# Altium PCB HAND_MULTILAYER.PcbDoc (part 2 of 3)
Units mm, origin at the board's own origin, x right, y up, seen from the top; angles counter-clockwise.
Board outline 57.4 x 57.5 mm, 4 copper layers (Top Layer, POWER, GND, Bottom Layer), stack 0.778 mm thick; 166 components, 145 nets, 650 pads, 156 vias.
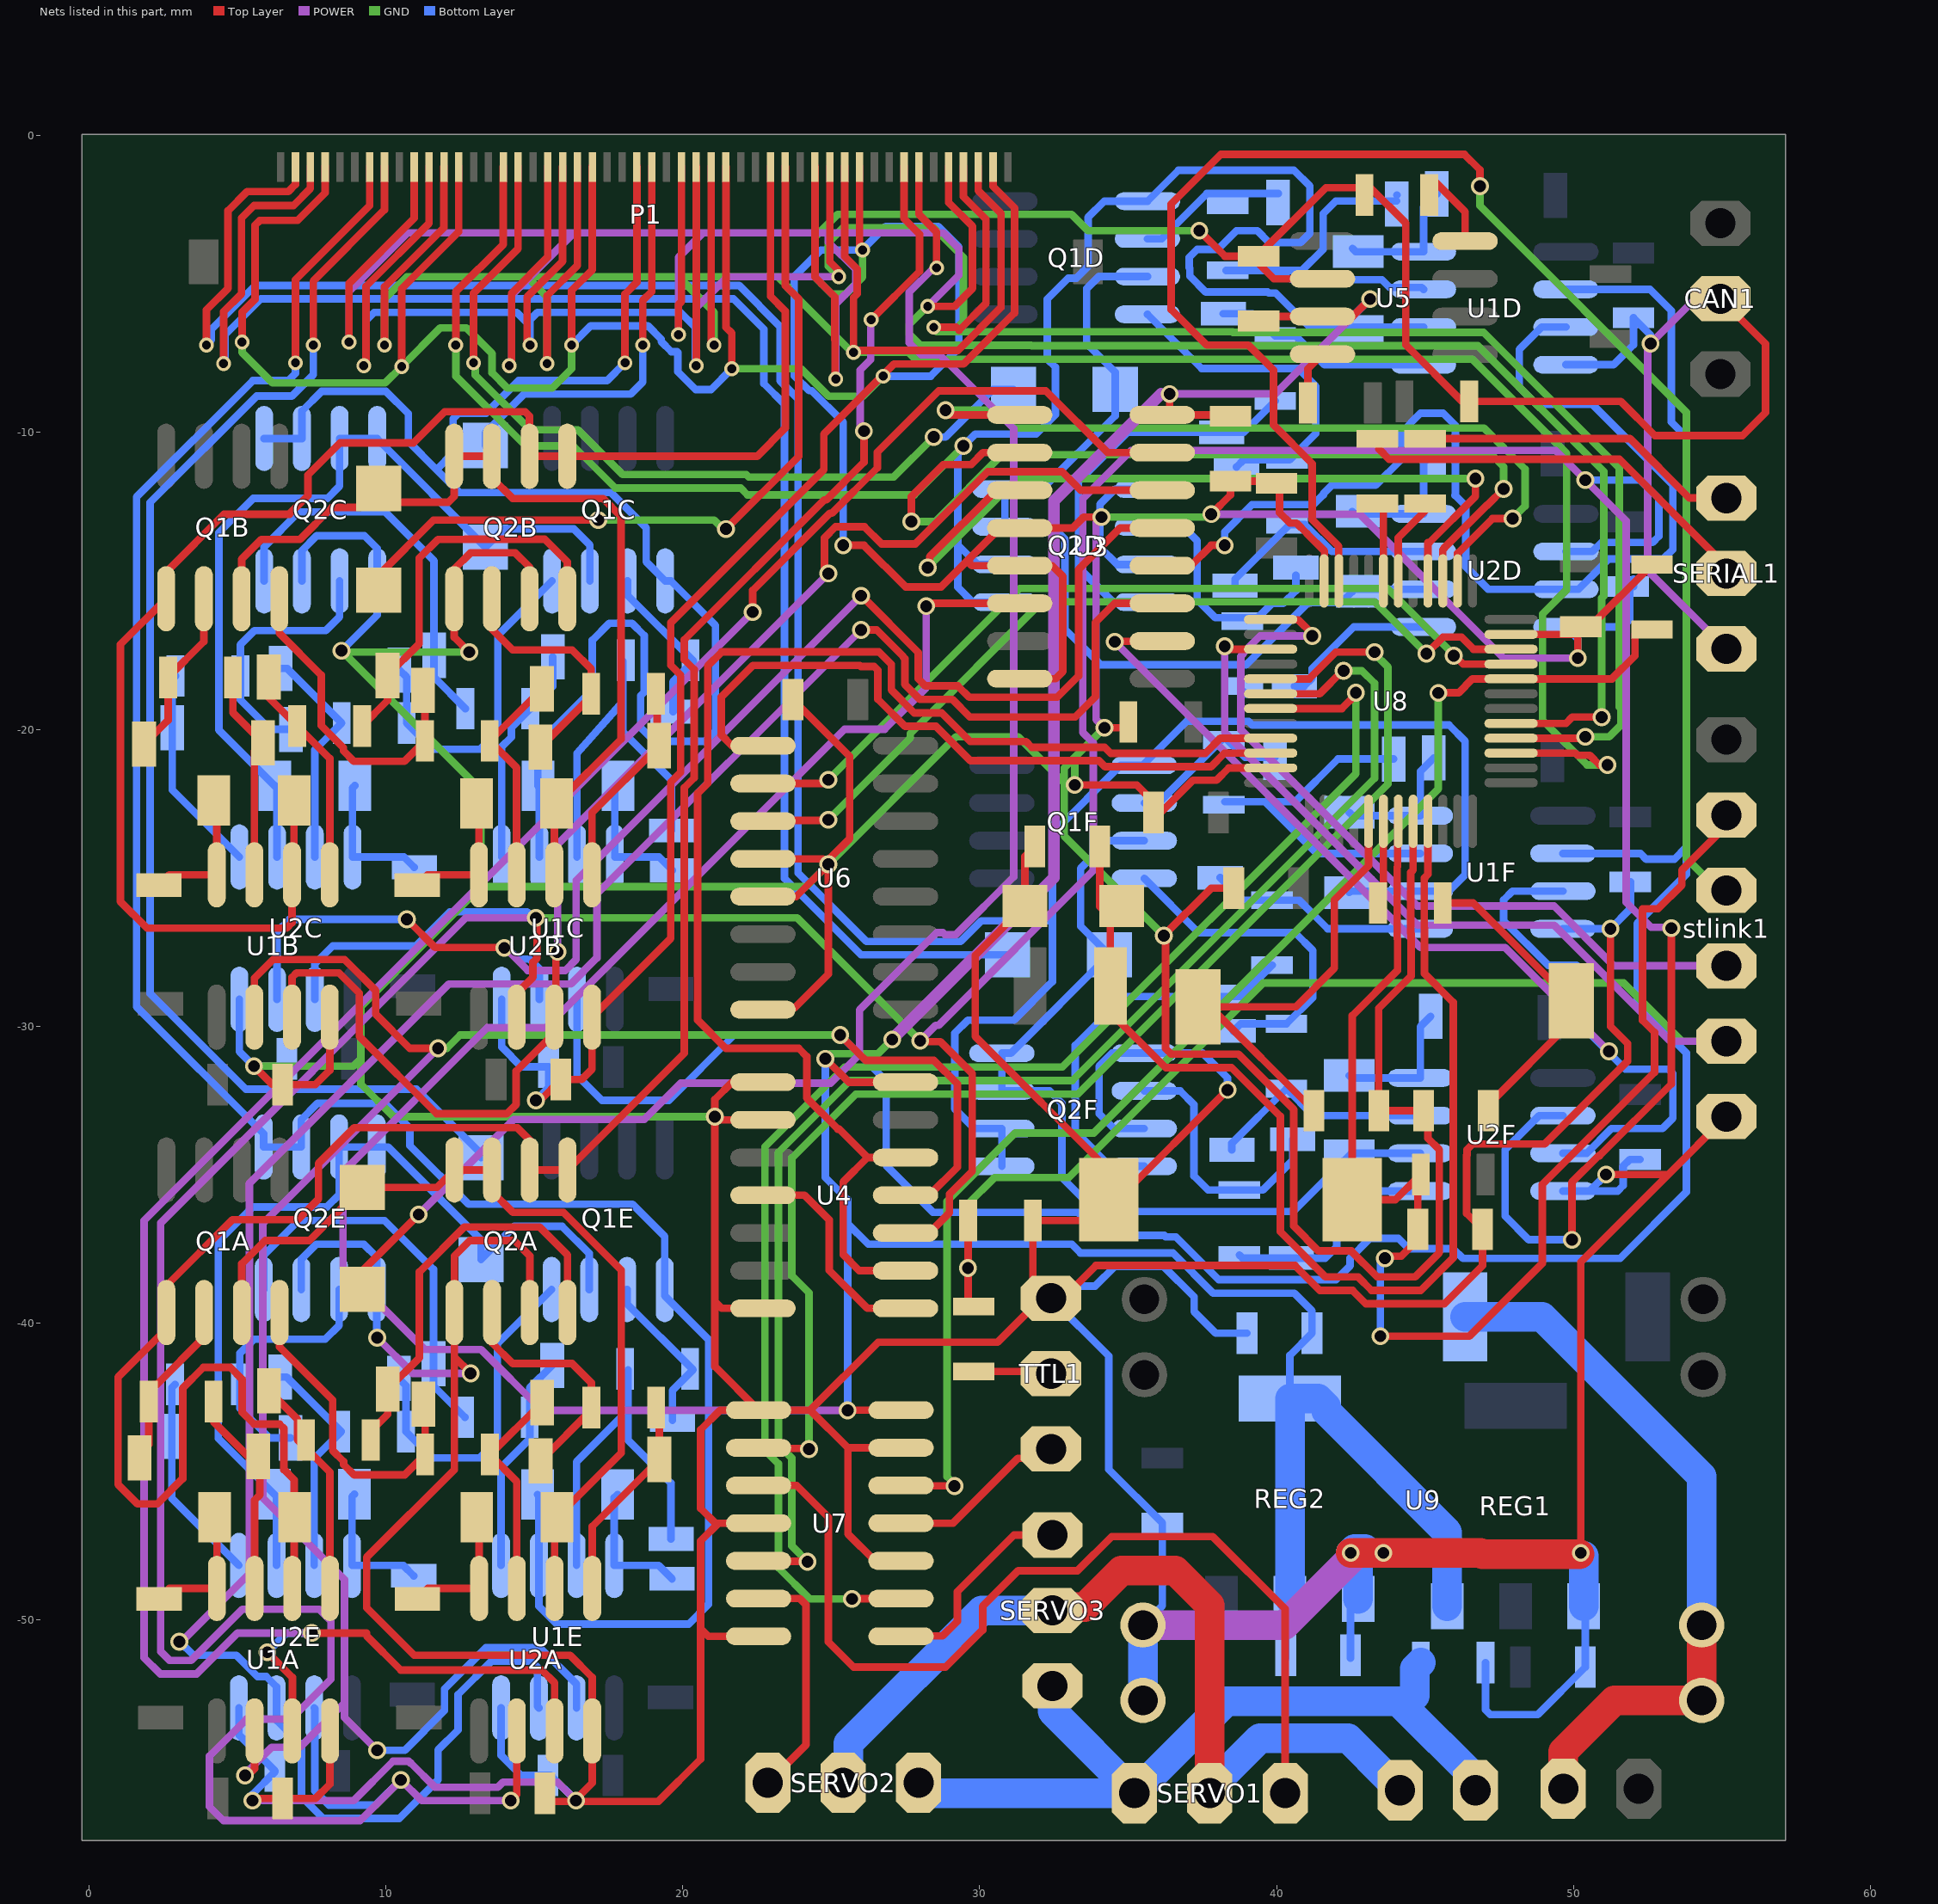
[diagram p4: the nets of this part, all layers, seen from the top]

## Via types
v1: diameter 0.6, hole 0.4, Top Layer to Bottom Layer, tented both sides, 113 vias
v2: diameter 0.5, hole 0.3, Top Layer to Bottom Layer, tented both sides, 43 vias

## Nets (pads, with @x,y where several pads share a name; then routed paths per layer and width w, separated by ;. In a path a pad name is that pad's centre, name@x,y a point inside that pad or via, vN(x,y) a via of type N, cw(c..) or ccw(c..) an arc to the next point about the centre after c; other vN are vias at no path point) (continued)
GND: B1.1 C3A.1 C3B.1 C3C.1 C3D.1 C3E.1 C3F.1 C4A.1 C4B.1 C4C.1 C4D.1 C4E.1 C4F.1 C5.1 C6.1 C7.1 C8.2 C9.1 C10.1 C11.1 C12.1 C13.1 C14.1 C15.1 C16.- C17.1 C18.1 C19.1 C21.1 CAN1.2 P1.2 P1.11 P1.20 P1.29 P1.38 P1.47 Q2A.1 Q2A.3 Q2B.1 Q2B.3 Q2C.1 Q2C.3 Q2D.1 Q2D.3 Q2E.1 Q2E.3 Q2F.1 Q2F.3 R6.1 R8.1 R9.2 R13.1 R14.1 R16.1 REG1.1 REG2.1 SERIAL1.1 stlink1.1 TTL1.3 U1A.4 U1B.4 U1C.4 U1D.4 U1E.4 U1F.4 U2A.4 U2B.4 U2C.4 U2D.4 U2E.4 U2F.4 U3.4 U3.5 U3.8 U4.1 U4.2 U4.7 U5.2 U6.4 U6.5 U6.8 U7.1 U7.4 U7.7 U7.10 U7.13 U8.8 U8.23 U8.35 U8.47 U9.4 | length 697.5
  Top Layer w0.254: v2(5.15,-6.95) 5.15,-5.947 5.585,-5.512 5.585,-3.015 5.75,-2.85 7.022,-2.85 7.95,-1.922 P1.47@7.95,-1.05 ; v1(5.5,-56.1) 5.575,-56.025 C3A.1@6.517,-56.025 7.625,-56.025 8.112,-55.538 U1A.4@8.112,-53.75 ; v1(5.55,-31.35) 6.175,-31.975 C3B.1@6.51,-31.975 7.618,-31.975 8.105,-31.488 U1B.4@8.105,-29.7 ; v2(10.527,-7.773) 10.527,-6.811 10.527,-5.157 12.45,-3.234 P1.38@12.45,-1.05 ; v1(12.8,-17.4) 12.295,-16.895 Q2B.1@12.295,-15.6 12.295,-14.605 12.85,-14.05 14.35,-14.05 14.835,-14.535 Q2B.3@14.835,-15.6 ; v1(12.85,-41.7) 12.302,-41.152 ; Q2A.3@14.842,-39.65 14.842,-37.742 14.325,-37.225 12.825,-37.225 12.302,-37.748 Q2A.1@12.302,-39.65 12.302,-41.152 ; v1(15.05,-32.5) 15.192,-32.5 C4B.1@15.892,-31.8 16.593,-31.8 16.94,-31.453 U2B.4@16.94,-29.7 19.592,-27.048 19.592,-21.782 19.927,-21.447 19.927,-18.172 19.592,-17.837 19.592,-16.408 24.75,-11.25 24.75,-10.05 27.112,-7.688 29.454,-7.688 31.173,-5.969 31.173,-2.431 30.45,-1.708 P1.2@30.45,-1.05 ; C4A.1@15.317,-56.125 v1@16.325,-56.125 ; v2(16.25,-7.05) 16.25,-5.213 16.95,-4.513 P1.29@16.95,-1.05 ; P1.20@21.45,-1.05 21.45,-6.45 21.65,-6.65 v2(21.65,-7.85) ; U7.7@22.55,-50.56 20.86,-50.56 20.6,-50.3 ; U7.4@22.55,-46.75 21.2,-46.75 ; U4.7@22.7,-39.51 21.31,-39.51 21.077,-39.277 ; U4.2@22.7,-33.16 21.187,-33.16 v1(21.077,-33.05) ; U4.1@22.7,-31.89 21.66,-31.89 21.077,-32.473 v1(21.077,-33.05) ; U6.8@22.7,-29.445 22.766,-29.379 23.771,-29.379 24.9,-28.25 24.9,-26.35 v1(24.9,-24.55) ; U6.5@22.7,-25.635 23.815,-25.635 v1(24.9,-24.55) ; U6.4@22.7,-24.365 24.715,-24.365 24.825,-24.475 v1(24.9,-24.55) ; C6.1@23.708,-19 25.619,-20.911 25.619,-23.681 24.9,-24.4 v1(24.9,-24.55) ; v1(25.4,-13.8) 26.1,-13.8 27.5,-15.2 28.7,-15.2 29.65,-14.25 ; P1.11@25.95,-1.05 25.95,-3.75 v2(26.05,-3.85) ; U7.10@27.35,-48.02 26.47,-48.02 25.56,-47.11 25.56,-44.21 ; U7.13@27.35,-44.21 25.56,-44.21 ; U3.8@31.35,-18.295 32.555,-18.295 32.8,-18.05 32.8,-14.85 32.435,-14.485 U3.5@31.35,-14.485 29.735,-14.485 29.65,-14.4 29.65,-14.25 ; C17.1@31.858,-23.95 31.52,-24.288 C16.-@31.52,-25.95 29.85,-27.62 29.85,-30.35 34.35,-34.85 B1.1@34.35,-35.85 ; v1(33.2,-21.873) 35.289,-21.873 35.635,-22.219 35.635,-22.227 35.858,-22.45 C11.1@35.866,-22.45 ; v1(34.1,-12.85) 33.5,-12.85 33.135,-13.215 U3.4@31.35,-13.215 30.685,-13.215 29.65,-14.25 ; v1(34.2,-19.95) 34.808,-19.95 R14.1@35.008,-19.75 ; C11.1@35.858,-22.8 36.1,-22.8 37.184,-21.716 37.973,-21.716 38.389,-21.3 U8.47@39.8,-21.3 ; v1(37.4,-3.2) 38.258,-4.058 C7.1@39.4,-4.058 39.4,-4.013 41.663,-1.75 43.158,-1.75 44.35,-2.942 44.35,-7.047 46.253,-8.95 R8.1@46.492,-8.95 51.6,-8.95 52.75,-10.1 55.7,-10.1 56.473,-9.327 56.473,-7.013 CAN1.2@54.95,-5.49 ; v1(37.8,-12.75) 38.45,-12.1 C5.1@38.45,-11.634 39.927,-11.634 C12.1@40,-11.708 ; v1(38.35,-32.15) 34.65,-35.85 B1.1@34.35,-35.85 ; C13.1@38.558,-25.35 37.8,-25.35 v1(36.2,-26.95) 36.261,-27.011 36.261,-30.755 36.453,-30.947 38.713,-30.947 40.581,-32.815 40.581,-36.743 41.415,-37.577 42.517,-37.577 43.39,-38.45 44.67,-38.45 45.485,-37.635 45.485,-34.165 45.101,-33.78 45.101,-33.001 C9.1@44.95,-32.85 ; C7.1@39.275,-4.183 39.912,-4.82 U5.2@41.55,-4.82 ; C12.1@40.1,-11.708 40.1,-12.7 40.45,-13.05 40.67,-13.05 41.027,-13.407 41.027,-13.411 41.611,-13.996 41.611,-14.206 41.609,-14.209 41.609,-14.991 U8.35@41.6,-15 ; U8.8@44.6,-23.1 44.6,-24.745 44.519,-24.827 44.519,-26.873 44.531,-26.886 44.531,-28.311 44.519,-28.323 43.442,-29.4 C8.2@43.442,-32.85 44.75,-32.85 C9.1@44.85,-32.75 ; U8.23@47.9,-16.8 49.992,-16.8 C10.1@50.15,-16.642 ; v1(50.15,-17.6) C10.1@50.15,-16.642 ; v1@50.2,-47.8 v1(50.25,-47.75) 50.25,-37.95 53.2,-35 ; v1(51.1,-35) 53.2,-35 ; v1(51.248,-26.722) 51.248,-30.011 51.827,-30.59 51.827,-31.181 49.035,-33.973 46.607,-33.973 46.415,-34.165 46.415,-34.339 46.404,-34.35 46.404,-36.312 C15.1@46.942,-36.85 46.942,-38.066 45.65,-39.358 43.014,-39.358 42.56,-38.904 41.457,-38.904 40.619,-38.066 33.916,-38.066 32.811,-39.17 TTL1.3@32.4,-39.17 ; R13.1@52.65,-14.45 50.558,-16.542 C10.1@50.25,-16.542 C10.1@50.15,-16.642 ; stlink1.1@55.15,-33.05 53.2,-35 ; SERIAL1.1@55.15,-17.29 SERIAL1.1@55.15,-16.95 ; 12.302,-41.152 12.302,-44.948 9.35,-47.9 9.35,-49.6 10.95,-51.2 16.2,-51.2 16.947,-51.947 U2A.4@16.947,-53.75 16.947,-55.503 v1@16.325,-56.125 ; v1@16.325,-56.125 19.175,-56.125 20.6,-54.7 20.6,-50.3 ; 20.6,-50.3 20.6,-47.35 21.2,-46.75 ; 21.077,-39.277 v1(21.077,-33.05) ; 21.077,-39.277 21.077,-41.467 U7.1@22.55,-42.94 ; 21.2,-46.75 21.1,-46.75 20.6,-46.25 20.6,-43.6 21.26,-42.94 U7.1@22.55,-42.94 ; U7.1@22.55,-42.94 24.29,-42.94 ; 24.29,-42.94 25.56,-44.21 ; 24.29,-42.94 26.58,-40.65 30.6,-40.65 32.08,-39.17 TTL1.3@32.4,-39.17 ; TTL1.3@32.4,-39.17 31.792,-38.562 R16.1@31.792,-36.55 33.65,-36.55 B1.1@34.35,-35.85
  Top Layer w1: v1(42.5,-47.75) v1(43.6,-47.75) 46.875,-47.75 46.925,-47.8 v1@50.2,-47.8
  POWER w0.254: v1(5.5,-56.1) 8.913,-56.1 10.24,-54.773 10.76,-54.773 10.818,-54.832 10.832,-54.832 11.646,-55.646 13.767,-55.646 13.94,-55.473 15.773,-55.473 v1(16.4,-56.1) ; v1(9.7,-40.5) 10.9,-41.7 v1(12.85,-41.7) ; v1(34.1,-12.85) 33.923,-13.027 33.923,-19.673 v1(34.2,-19.95) ; v1(37.8,-12.75) 42.8,-12.75 47.65,-17.6 v1(50.15,-17.6) ; CAN1.2@54.95,-5.49 54.11,-5.49 v1(52.6,-7) 52.5,-7.1 52.5,-14.64 SERIAL1.1@55.15,-17.29
  POWER w1: U9.4@35.499,-50.183 40.267,-50.183 42.5,-47.95 v1(42.5,-47.75)
  GND w0.254: v2(5.15,-6.95) 5.15,-7.3 6.177,-8.327 9.973,-8.327 v2(10.527,-7.773) 11.827,-6.473 12.707,-6.473 13.573,-7.339 13.573,-7.989 14.084,-8.5 15.6,-8.5 16.25,-7.85 v2(16.25,-7.05) ; v1(5.55,-31.35) 8.9,-31.35 9.15,-31.1 ; v1(8.5,-17.35) v1@8.55,-17.4 ; v1(12.8,-17.4) v1@8.55,-17.4 ; v1(21.077,-33.05) 10.25,-33.05 9.15,-31.95 9.15,-31.1 ; v2(21.65,-7.85) 23.984,-7.85 24.792,-8.658 24.911,-8.777 26.073,-8.777 v2(26.75,-8.1) ; v2(26.05,-3.85) 26.05,-4.766 25.489,-5.327 25.011,-5.327 24.446,-4.762 24.446,-3.412 25.212,-2.646 33.096,-2.646 33.65,-3.2 v1(37.4,-3.2) ; v1(33.2,-21.873) 33.2,-20.95 ; v1(34.1,-12.85) 37.7,-12.85 v1(37.8,-12.75) ; v1(34.2,-19.95) 33.2,-20.95 ; v1(36.2,-26.95) 32.85,-23.6 32.85,-21.8 ; v1@8.55,-17.4 13.2,-22.05 13.2,-25.3 ; 9.15,-31.1 9.15,-29.35 13.2,-25.3 ; 13.2,-25.3 24.15,-25.3 v1(24.9,-24.55) 29.2,-20.25 31.3,-20.25 32.85,-21.8 ; 32.85,-21.8 32.85,-21.3 33.2,-20.95
  Bottom Layer w0.254: U2E.4@5.043,-52.975 5.043,-53.885 C4E.1@6.258,-55.1 6.258,-55.129 5.5,-55.887 v1(5.5,-56.1) ; U2C.4@5.06,-29.1 5.06,-30.86 v1(5.55,-31.35) 6.65,-31.35 C4C.1@6.675,-31.375 ; Q2E.3@7.148,-38.875 7.148,-37.852 7.65,-37.35 9.25,-37.35 9.688,-37.788 Q2E.1@9.688,-38.875 9.688,-40.488 v1(9.7,-40.5) ; Q2C.3@7.165,-15 7.165,-13.977 7.667,-13.475 9.267,-13.475 9.705,-13.913 Q2C.1@9.705,-15 9.705,-16.145 v1(8.5,-17.35) ; U1E.4@13.878,-52.975 13.878,-54.578 14.55,-55.25 C3E.1@15.458,-55.25 15.55,-55.25 v1(16.4,-56.1) ; U1C.4@13.895,-29.1 13.895,-30.703 14.567,-31.375 C3C.1@15.475,-31.375 15.475,-32.075 v1(15.05,-32.5) ; v2(16.25,-7.05) 16.896,-6.404 18.82,-6.404 19.273,-6.857 19.273,-6.939 19.611,-7.277 19.8,-7.277 19.827,-7.304 19.827,-7.943 20.434,-8.55 20.95,-8.55 v2(21.65,-7.85) ; v1(25.4,-13.8) 25.4,-9.65 24.335,-8.585 24.258,-8.585 24.069,-8.396 24.057,-8.396 23.75,-8.089 23.75,-4.75 24.65,-3.85 v2(26.05,-3.85) 26.05,-3.834 26.834,-3.05 28.6,-3.05 29.3,-3.75 29.3,-7.15 28.35,-8.1 v2(26.75,-8.1) ; U9.4@35.499,-50.183 36.15,-49.532 C19.1@36.15,-46.742 34.35,-44.942 34.35,-41.12 TTL1.3@32.4,-39.17 32.811,-38.759 33.891,-38.759 34.55,-38.1 36.2,-38.1 37.225,-39.125 37.225,-39.625 37.95,-40.35 C14.1@39.008,-40.35 ; Q2F.3@35.545,-33.452 34.522,-33.452 34.02,-32.95 34.02,-31.35 34.458,-30.912 Q2F.1@35.545,-30.912 37.512,-30.912 38.35,-31.75 v1(38.35,-32.15) ; Q2D.3@35.65,-14.445 34.627,-14.445 34.05,-13.868 34.05,-12.418 34.563,-11.905 Q2D.1@35.65,-11.905 ; C21.1@42.492,-51.3 C21.1@42.492,-51.2 42.492,-49.56 REG2.1@42.75,-49.302 ; R9.2@47.042,-51.45 47.042,-53.042 47.2,-53.2 48.8,-53.2 C18.1@50.4,-51.6 50.4,-49.6 REG1.1@50.35,-49.55 ; U2F.4@49.645,-35.557 U2F.4@50.543,-35.557 ; U1F.4@49.645,-26.722 v1(51.248,-26.722) 51.92,-26.05 C3F.1@51.92,-25.142 ; U1D.4@49.75,-7.715 51.353,-7.715 52.025,-7.043 C3D.1@52.025,-6.135 52.6,-6.71 v1(52.6,-7) ; v1(50.15,-17.6) 50.15,-16.95 U2D.4@49.75,-16.55 51.65,-16.55 51.9,-16.3 51.9,-15.242 C4D.1@51.85,-15.192 ; v1(50.25,-47.75) v1@50.35,-47.85 ; v1(51.1,-35) U2F.4@50.543,-35.557 ; C4D.1@52.025,-15.192 C4D.1@52.025,-14.935 ; C4F.1@52.25,-34.492 51.9,-34.492 51.677,-34.715 51.677,-35.373 51.493,-35.557 U2F.4@50.543,-35.557
  Bottom Layer w1: U9.4@35.499,-52.723 U9.4@35.499,-50.183 ; v1(42.5,-47.75) 42.625,-47.625 42.975,-47.625 ; REG2.1@42.75,-49.302 v1@42.75,-47.85 ; REG1.1@50.35,-49.55 v1@50.35,-47.85
IN1: U2A.2 U2B.2 U2C.2 U2D.2 U2E.2 U2F.2 U4.10 | length 185.6
  Top Layer w0.254: v1(14.2,-56.1) 14.407,-55.893 U2A.2@14.407,-53.75 ; U2B.2@14.4,-29.7 14.4,-28.9 14.95,-28.35 14.95,-27.85 15.086,-27.714 15.086,-26.39 v1(15.05,-26.354) ; U4.10@27.5,-36.97 28.3,-36.97 28.981,-36.289 28.981,-35.661 29.75,-34.892 29.75,-31.6 28.676,-30.526 28.026,-30.526 v1(27.995,-30.495) ; v1(49.95,-37.2) 49.95,-35.263 50.84,-34.373 50.877,-34.373 53.3,-31.95 v1(53.3,-26.7)
  POWER w0.254: v1(14.2,-56.1) 11.2,-56.1 v1(10.5,-55.4) 9.127,-56.773 4.523,-56.773 4.05,-56.3 4.05,-54.6 5.3,-53.35 6.8,-53.35 8.146,-52.004 8.146,-50.046 7.75,-49.65 5.158,-49.65 3.435,-51.373 2.707,-51.373 2.408,-51.074 2.408,-36.634 12.688,-26.354 v1(15.05,-26.354) ; v1(27.995,-30.495) 28.519,-29.971 28.613,-29.971 33.827,-24.757 33.827,-20.464 33.469,-20.106 33.469,-12.233 35.102,-10.6 49.4,-10.6 v1(50.4,-11.6) 51.777,-12.977 51.777,-25.827 52.619,-26.669 53.269,-26.669 v1(53.3,-26.7)
  GND w0.254: v1(15.05,-26.354) 23.854,-26.354 v1(27.995,-30.495)
  Bottom Layer w0.254: U2E.2@7.583,-52.975 7.604,-52.996 7.604,-55.774 8.076,-56.246 9.654,-56.246 v1(10.5,-55.4) ; U2C.2@7.6,-29.1 7.6,-27.9 8.2,-27.3 11,-27.3 12.15,-26.15 14.752,-26.15 14.956,-26.354 v1(15.05,-26.354) ; U2F.2@49.645,-33.017 48.845,-33.017 47.7,-34.162 47.7,-36.4 48.5,-37.2 v1(49.95,-37.2) ; U2D.2@49.75,-14.01 50.644,-14.01 50.954,-13.7 52.67,-13.7 52.877,-13.493 52.877,-12.227 52.25,-11.6 v1(50.4,-11.6)
IN2: U1A.2 U1B.2 U1C.2 U1D.2 U1E.2 U1F.2 U4.11 | length 164
  Top Layer w0.254: v1@5.25,-55.35 5.572,-55.028 U1A.2@5.572,-53.75 ; U1B.2@5.565,-29.7 5.565,-28.385 6.196,-27.754 8.6,-27.754 9.65,-28.804 9.65,-29.6 10.8,-30.75 v1(11.75,-30.75) ; v1(25.3,-30.3) 25.95,-30.95 26.152,-31.152 28.448,-31.152 29.25,-31.953 29.25,-34.75 28.3,-35.7 U4.11@27.5,-35.7
  POWER w0.254: v1@5.4,-55.05 6.15,-54.3 7.1,-54.3 8.6,-52.8 ; v1(9.7,-54.4) 8.6,-53.3 8.6,-52.8 ; v1(11.75,-30.75) 5.85,-36.65 5.85,-45.9 8.6,-48.65 8.6,-52.8
  GND w0.254: v1(11.75,-30.75) 12.05,-30.75 12.5,-30.3 v1(25.3,-30.3)
  Bottom Layer w0.254: v1(9.7,-54.4) 10.632,-54.4 11.972,-53.06 11.972,-52.336 13.358,-50.95 15.193,-50.95 16.418,-52.175 U1E.2@16.418,-52.975 ; U1C.2@16.435,-29.1 16.435,-31.663 17.272,-32.5 19.528,-32.5 21.728,-30.3 v1(25.3,-30.3) 26.85,-31.85 26.85,-34.7 28.425,-36.275 33.303,-36.275 34.078,-37.05 36.214,-37.05 36.264,-37.1 36.606,-37.1 38.05,-38.544 42.006,-38.544 42.479,-38.071 42.479,-37.821 43.15,-37.15 44.1,-37.15 44.45,-37.5 45.95,-37.5 46.277,-37.827 51.573,-37.827 53.804,-35.596 53.804,-30.904 53.25,-30.35 53.2,-30.35 52.15,-29.3 52.15,-26.538 53.804,-24.884 53.804,-23.972 ; U1F.2@49.645,-24.182 52.257,-24.182 52.452,-24.377 53.399,-24.377 53.804,-23.972 ; U1D.2@49.75,-5.175 52.577,-5.175 53.3,-5.898 53.3,-9.647 53.804,-10.151 53.804,-23.972
  other v1: 5.25,-55.25
M11: F1A.1 P1.7 | length 55.6
  Top Layer w0.254: F1A.1@9.207,-38.865 9.207,-38.243 v1(11.1,-36.35) ; P1.7@27.95,-1.05 27.95,-2.65 28.542,-3.242 28.542,-4.358 28.634,-4.45 v2(28.55,-4.45)
  POWER w0.254: v1(11.1,-36.35) 14.3,-33.15 18.7,-33.15 19.925,-31.925 24.975,-31.925 25.95,-30.95 25.95,-29.45 28.55,-26.85 28.763,-26.85 28.84,-26.927 29.186,-26.927 31.146,-24.967 31.146,-19.596 31.147,-19.595 31.147,-9.868 28.656,-7.377 28.027,-7.377 27.627,-6.977 27.627,-5.273 28.45,-4.45 v2(28.55,-4.45)
M12: C1A.1 P1.8 Q1A.1 Q2A.5 Q2A.6 U1A.6 | length 80.9
  Top Layer w0.254: U1A.6@6.842,-48.95 6.907,-48.885 6.907,-45.292 6.561,-44.946 6.561,-43.561 6.411,-43.411 5.556,-43.411 5.15,-43.005 5.15,-41.9 4.75,-41.5 3.85,-41.5 3.15,-42.2 3.15,-45.25 2.3,-46.1 1.626,-46.1 0.973,-45.447 0.973,-41.827 2.602,-40.198 Q1A.1@2.602,-39.65 2.602,-38.748 4.825,-36.525 7.025,-36.525 7.725,-35.825 7.725,-34.625 8.927,-33.423 14.423,-33.423 14.842,-33.842 Q2A.6@14.842,-34.85 Q2A.5@16.112,-34.85 20.046,-30.916 20.046,-21.971 20.381,-21.636 20.381,-17.984 20.046,-17.649 20.046,-16.983 24.764,-12.265 24.835,-12.265 26.1,-11 v1(26.1,-9.95) ; v2(26.342,-6.2) 27.973,-4.569 27.973,-3.315 27.45,-2.792 P1.8@27.45,-1.05
  POWER w0.254: v1(26.1,-9.95) 25.973,-9.823 25.973,-7.893 26.327,-7.539 26.327,-6.215 v2(26.342,-6.2)
M21: F1B.1 P1.16 | length 26.5
  Top Layer w0.254: F1B.1@9.75,-15.314 9.75,-14.8 11.6,-12.95 v1(17.15,-12.95) ; v1(21.45,-13.25) 23.904,-10.796 23.904,-5.504 23.45,-5.051 P1.16@23.45,-1.05
  GND w0.254: v1(17.15,-12.95) 21.056,-12.95 21.356,-13.25 v1(21.45,-13.25)
M22: C1B.1 P1.17 Q1B.1 Q2B.5 Q2B.6 U1B.6 | length 56.4
  Top Layer w0.254: C1B.1@6.9,-22.4 6.9,-24.835 U1B.6@6.835,-24.9 6.835,-26.515 6.65,-26.7 1.95,-26.7 1.05,-25.8 1.05,-17.145 Q1B.1@2.595,-15.6 2.595,-14.698 4.543,-12.75 6.743,-12.75 7.368,-12.125 7.368,-11.432 8.45,-10.35 10.926,-10.35 11.976,-9.3 14.686,-9.3 14.835,-9.449 Q2B.6@14.835,-10.8 Q2B.5@16.105,-10.8 22.5,-10.8 23.45,-9.85 23.45,-5.908 22.95,-5.408 P1.17@22.95,-1.05
M31: F1C.1 P1.25 | length 13.8
  Top Layer w0.254: v2(18.65,-7.05) 18.65,-5.55 18.95,-5.25 P1.25@18.95,-1.05
  Bottom Layer w0.254: F1C.1@13.35,-10.436 13.35,-10.008 14.654,-8.704 18.246,-8.704 18.65,-8.3 v2(18.65,-7.05)
M32: C1C.1 P1.26 Q1C.1 Q2C.5 Q2C.6 U1C.6 | length 56
  Top Layer w0.254: v2(18.05,-7.65) 18.05,-5.339 18.45,-4.939 P1.26@18.45,-1.05
  Bottom Layer w0.254: Q2C.5@5.895,-10.2 Q2C.6@7.165,-10.2 7.165,-9.277 7.83,-8.612 10,-8.612 10.75,-9.362 10.75,-10.3 11.7,-11.25 ; U1C.6@15.165,-24.3 15.165,-21.953 C1C.1@15.117,-21.905 15.117,-20.51 16.95,-18.677 16.95,-17 17.523,-16.427 18.289,-16.427 18.702,-16.84 18.702,-18.746 18.578,-18.87 18.578,-19.94 19.038,-20.4 20.75,-20.4 21.096,-20.054 21.096,-16.496 19.6,-15 Q1C.1@19.405,-15 18.762,-14.357 18.762,-13.212 17.575,-12.025 12.475,-12.025 11.7,-11.25 ; v2(18.05,-7.65) 17.45,-8.25 14.466,-8.25 13.369,-9.347 12.453,-9.347 12.261,-9.538 12.261,-10.689 11.7,-11.25
M41: F1D.1 P1.34 | length 28.5
  Top Layer w0.254: v2(12.95,-7.65) 12.95,-5.303 13.027,-5.225 14.45,-3.802 P1.34@14.45,-1.05
  GND w0.254: v2(12.95,-7.65) 13.004,-7.65 13.004,-8.062 14.85,-9.908 16.458,-9.908 17.965,-11.415 22.136,-11.415 22.221,-11.5 27.1,-11.5 v1(28.45,-10.15)
  Bottom Layer w0.254: v1(28.45,-10.15) 28.85,-10.15 30.45,-8.55 F1D.1@31.136,-8.55
M42: C1D.1 P1.35 Q1D.1 Q2D.5 Q2D.6 U1D.6 | length 70.6
  Top Layer w0.254: v2(12.35,-7.05) 12.35,-5.26 13.95,-3.66 P1.35@13.95,-1.05
  GND w0.254: v2(12.35,-7.05) 12.35,-8.1 14.7,-10.45 16.311,-10.45 17.73,-11.869 21.948,-11.869 22.179,-12.1 27.8,-12.1 v1(29.45,-10.45)
  Bottom Layer w0.254: Q2D.5@30.85,-15.715 29.765,-15.715 29.262,-15.212 29.262,-13.78 ; Q2D.6@30.85,-14.445 29.927,-14.445 29.262,-13.78 ; U1D.6@44.95,-6.445 42.603,-6.445 42.555,-6.493 41.16,-6.493 39.968,-5.302 39.732,-5.302 39.696,-5.266 37.616,-5.266 37.077,-4.727 37.077,-4.464 37.056,-4.443 37.056,-4.094 37.323,-3.827 38.023,-3.827 38.65,-3.2 39.35,-3.2 39.75,-3.6 40.8,-3.6 41.119,-3.281 41.119,-1.695 40.585,-1.161 36.694,-1.161 Q1D.1@35.65,-2.205 34.195,-2.205 33.65,-2.75 33.65,-4.4 33.25,-4.8 32.977,-4.8 32.277,-5.5 32.277,-7.527 32.55,-7.8 32.55,-9.4 31.9,-10.05 29.85,-10.05 v1(29.45,-10.45) 29.45,-10.544 29.262,-10.731 29.262,-13.78
M51: F1E.1 P1.43 | length 45.3
  Top Layer w0.254: v2(7.55,-7.05) 7.55,-4.892 9.95,-2.492 P1.43@9.95,-1.05
  Bottom Layer w0.254: v2(7.55,-7.05) 7.55,-8.05 6.827,-8.773 5.635,-8.773 2.05,-12.358 2.05,-28.9 5.277,-32.127 11.027,-32.127 13.2,-34.3 F1E.1@13.2,-34.436
M52: C1E.1 P1.44 Q1E.1 Q2E.5 Q2E.6 U1E.6 | length 78.7
  Top Layer w0.254: v2(6.95,-7.65) 6.95,-4.85 9.45,-2.35 P1.44@9.45,-1.05
  Bottom Layer w0.254: v2(6.95,-7.65) 6.95,-8.008 6.708,-8.25 5.516,-8.25 1.596,-12.17 1.596,-29.346 5.878,-33.628 Q2E.5@5.878,-34.075 Q2E.6@7.148,-34.075 7.148,-33.152 7.7,-32.6 9.963,-32.6 10.8,-33.437 10.8,-34.022 12.778,-36 18.3,-36 19.388,-37.088 Q1E.1@19.388,-38.875 19.388,-39.088 20.869,-40.569 20.869,-49.481 20.2,-50.15 15.75,-50.15 15.148,-49.548 U1E.6@15.148,-48.175 15.148,-45.828 C1E.1@15.1,-45.78
M61: F1F.1 P1.48 | length 56
  Top Layer w0.254: v2(4.527,-7.673) 4.527,-5.927 5.131,-5.324 5.131,-2.769 5.55,-2.35 6.879,-2.35 7.45,-1.78 P1.48@7.45,-1.05
  Bottom Layer w0.254: v2(4.527,-7.673) 4.573,-7.627 4.573,-6.711 5.788,-5.496 21.704,-5.496 22.727,-6.519 22.727,-8.35 23.427,-9.05 23.427,-25.027 26,-27.6 F1F.1@30.936,-27.6
M62: C1F.1 P1.49 Q1F.1 Q2F.5 Q2F.6 U1F.6 | length 96.6
  Top Layer w0.254: v2(3.95,-7.05) 3.95,-5.862 4.677,-5.135 4.677,-2.523 5.323,-1.877 6.71,-1.877 6.95,-1.637 P1.49@6.95,-1.05
  Bottom Layer w0.254: v2(3.95,-7.05) 4.119,-6.881 4.119,-6.523 5.6,-5.042 21.892,-5.042 23.275,-6.425 23.275,-8.256 23.869,-8.85 23.881,-8.85 23.881,-24.839 26.188,-27.146 29.354,-27.146 30.05,-26.45 32.45,-26.45 ; Q2F.5@30.745,-34.722 Q2F.6@30.745,-33.452 29.822,-33.452 29.157,-32.787 29.157,-30.243 29.6,-29.8 31.15,-29.8 32.45,-28.5 32.45,-26.45 ; C1F.1@42.45,-25.5 42.498,-25.452 U1F.6@44.845,-25.452 45.798,-25.452 46.35,-24.9 46.35,-20.398 45.806,-19.854 39.179,-19.854 39.055,-19.731 36.969,-19.731 35.545,-21.155 Q1F.1@35.545,-21.212 34.748,-21.212 32.45,-23.51 32.45,-26.45
NetC1A_2: C1A.2 D1A.K U1A.8 | length 4.6
  Top Layer w0.254: D1A.K@2.357,-49.3 2.707,-48.95 U1A.8@4.302,-48.95 4.302,-46.545 C1A.2@4.207,-46.45
NetC1B_2: C1B.2 D1B.K U1B.8 | length 4.6
  Top Layer w0.254: D1B.K@2.35,-25.25 2.7,-24.9 U1B.8@4.295,-24.9 4.295,-22.495 C1B.2@4.2,-22.4
NetC1C_2: C1C.2 D1C.K U1C.8 | length 4.6
  Bottom Layer w0.254: C1C.2@17.817,-21.905 17.705,-22.017 U1C.8@17.705,-24.3 19.2,-24.3 D1C.K@19.65,-24.75
NetC1D_2: C1D.2 D1D.K U1D.8 | length 4.6
  Bottom Layer w0.254: C1D.2@42.555,-3.793 42.667,-3.905 U1D.8@44.95,-3.905 44.95,-2.41 D1D.K@45.4,-1.96
NetC1E_2: C1E.2 D1E.K U1E.8 | length 4.6
  Bottom Layer w0.254: C1E.2@17.8,-45.78 17.688,-45.892 U1E.8@17.688,-48.175 19.183,-48.175 D1E.K@19.633,-48.625
NetC1F_2: C1F.2 D1F.K U1F.8 | length 4.6
  Bottom Layer w0.254: C1F.2@42.45,-22.8 42.562,-22.912 U1F.8@44.845,-22.912 44.845,-21.417 D1F.K@45.295,-20.967
NetC2A_1: C2A.1 F1A.2 Q1A.3 Q2A.7 Q2A.8 U2A.6 | length 29.2
  Top Layer w0.254: Q1A.3@5.142,-39.65 5.142,-38.008 5.925,-37.225 7.417,-37.225 F1A.2@9.207,-35.436 11.716,-35.436 Q2A.8@12.302,-34.85 Q2A.7@13.572,-34.85 13.572,-35.572 14.277,-36.277 15.977,-36.277 17.925,-38.225 17.925,-44.382 C2A.1@15.757,-46.55 15.677,-46.63 U2A.6@15.677,-48.95
NetC2A_2: C2A.2 D2A.K U2A.8 | length 4.7
  Top Layer w0.254: D2A.K@11.057,-49.3 11.407,-48.95 U2A.8@13.137,-48.95 13.137,-46.63 C2A.2@13.057,-46.55
NetC2B_1: C2B.1 F1B.2 Q1B.3 Q2B.7 Q2B.8 U2B.6 | length 31
  Top Layer w0.254: Q1B.3@5.135,-15.6 5.135,-14.265 5.8,-13.6 7.1,-13.6 8.18,-12.52 9.115,-12.52 F1B.2@9.75,-11.885 10.215,-12.35 12.1,-12.35 12.295,-12.155 Q2B.8@12.295,-10.8 Q2B.7@13.565,-10.8 13.565,-11.522 14.27,-12.227 17.314,-12.227 17.918,-12.831 17.918,-20.332 C2B.1@15.75,-22.5 15.67,-22.58 U2B.6@15.67,-24.9
NetC2B_2: C2B.2 D2B.K U2B.8 | length 4.7
  Top Layer w0.254: D2B.K@11.05,-25.25 11.4,-24.9 U2B.8@13.13,-24.9 13.13,-22.58 C2B.2@13.05,-22.5
NetC2C_1: C2C.1 F1C.2 Q1C.3 Q2C.7 Q2C.8 U2C.6 | length 29.7
  Bottom Layer w0.254: U2C.6@6.33,-24.3 6.33,-21.98 C2C.1@6.25,-21.9 4.367,-20.017 4.367,-13.375 5.521,-12.221 8.021,-12.221 8.435,-11.807 Q2C.7@8.435,-10.2 Q2C.8@9.705,-10.2 9.705,-10.22 F1C.2@13.35,-13.865 13.964,-13.25 16.327,-13.25 16.865,-13.788 Q1C.3@16.865,-15
NetC2C_2: C2C.2 D2C.K U2C.8 | length 4.7
  Bottom Layer w0.254: C2C.2@8.95,-21.9 8.87,-21.98 U2C.8@8.87,-24.3 10.6,-24.3 D2C.K@10.95,-24.65